# Altium PCB Zotino.PCBDOC (part 2 of 8)
Units mil, origin at the board's own origin, x right, y up, seen from the top; angles counter-clockwise.
Board outline 6303.18 x 3940.98 mil, 4 copper layers (TopLayer, Internal Plane 2, Signal Layer 1, BottomLayer), stack 61.54 mil thick; 716 components, 353 nets, 2092 pads, 748 vias.
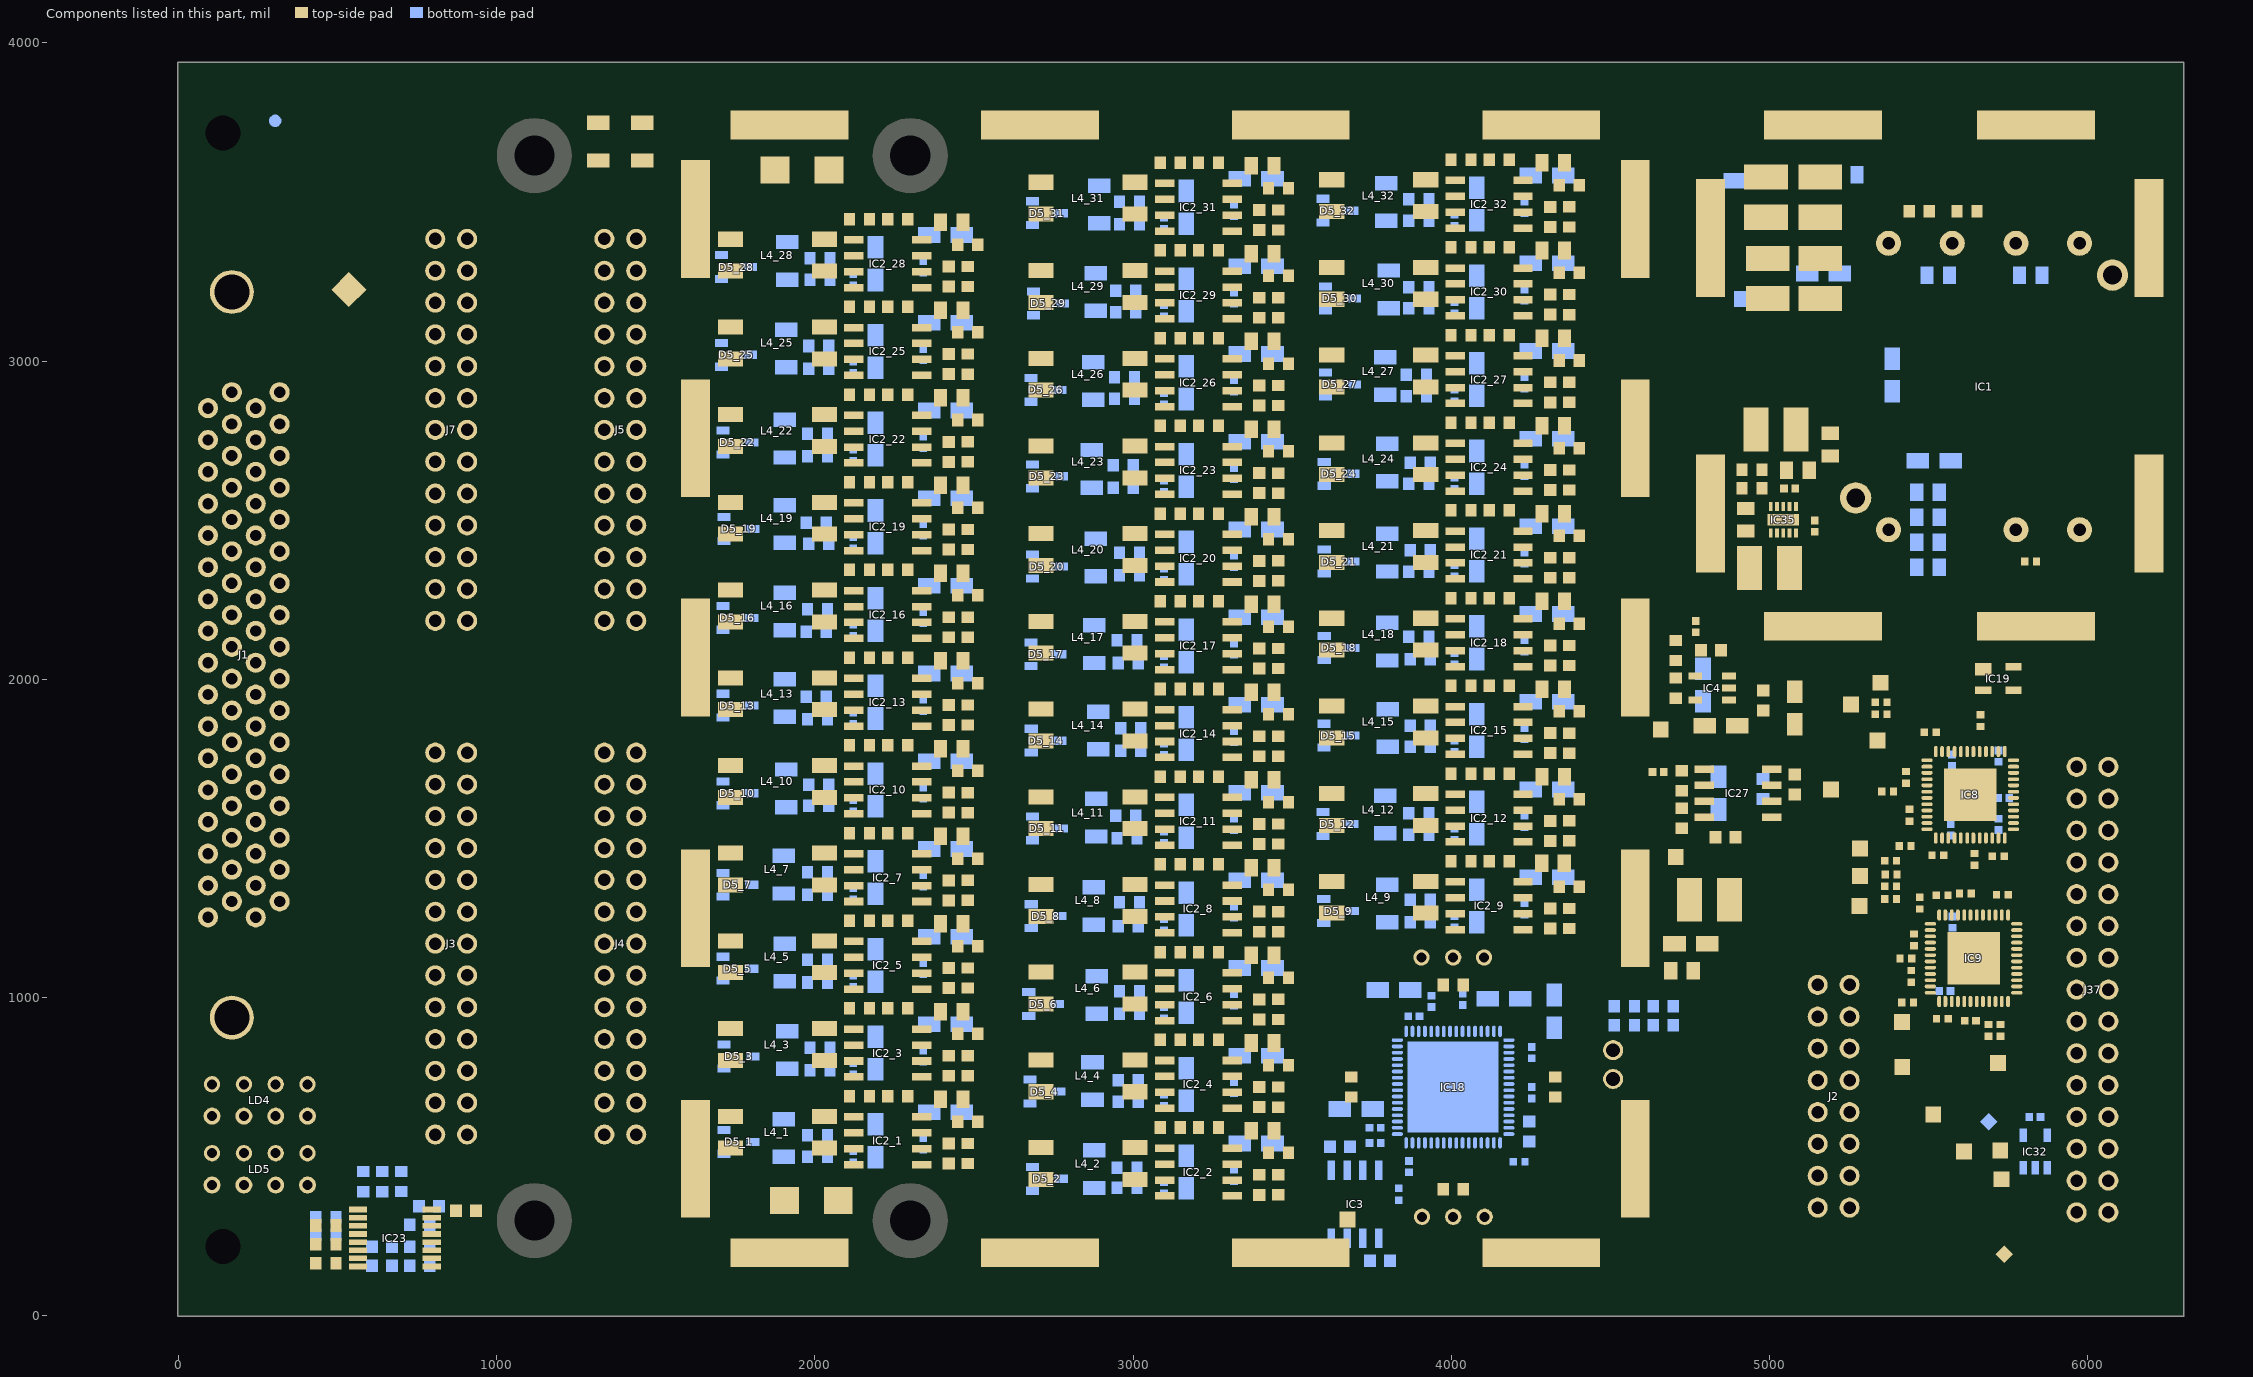
[diagram p4: the components of this part, seen from the top]

## Components (designator, comment, footprint, x,y, rotation, side; value= is the part's Value field where it differs from the comment) (continued)
IC2_14 "OPA197ID" SOIC127P600X175-8N 3204.98,1829.53 r180 top (schematic designator IC2)
IC2_15 "OPA197ID" SOIC127P600X175-8N 4118.37,1839.37 r180 top (schematic designator IC2)
IC2_16 "OPA197ID" SOIC127P600X175-8N 2228.6,2203.54 r180 top (schematic designator IC2)
IC2_17 "OPA197ID" SOIC127P600X175-8N 3204.98,2105.12 r180 top (schematic designator IC2)
IC2_18 "OPA197ID" SOIC127P600X175-8N 4118.37,2114.96 r180 top (schematic designator IC2)
IC2_19 "OPA197ID" SOIC127P600X175-8N 2228.6,2479.13 r180 top (schematic designator IC2)
IC2_20 "OPA197ID" SOIC127P600X175-8N 3204.98,2380.71 r180 top (schematic designator IC2)
IC2_21 "OPA197ID" SOIC127P600X175-8N 4118.37,2390.55 r180 top (schematic designator IC2)
IC2_22 "OPA197ID" SOIC127P600X175-8N 2228.6,2754.72 r180 top (schematic designator IC2)
IC2_23 "OPA197ID" SOIC127P600X175-8N 3204.98,2656.3 r180 top (schematic designator IC2)
IC2_24 "OPA197ID" SOIC127P600X175-8N 4118.37,2666.14 r180 top (schematic designator IC2)
IC2_25 "OPA197ID" SOIC127P600X175-8N 2228.6,3030.32 r180 top (schematic designator IC2)
IC2_26 "OPA197ID" SOIC127P600X175-8N 3204.98,2931.89 r180 top (schematic designator IC2)
IC2_27 "OPA197ID" SOIC127P600X175-8N 4118.37,2941.73 r180 top (schematic designator IC2)
IC2_28 "OPA197ID" SOIC127P600X175-8N 2228.6,3305.91 r180 top (schematic designator IC2)
IC2_29 "OPA197ID" SOIC127P600X175-8N 3204.98,3207.48 r180 top (schematic designator IC2)
IC2_30 "OPA197ID" SOIC127P600X175-8N 4118.37,3217.32 r180 top (schematic designator IC2)
IC2_31 "OPA197ID" SOIC127P600X175-8N 3204.98,3483.07 r180 top (schematic designator IC2)
IC2_32 "OPA197ID" SOIC127P600X175-8N 4118.37,3492.91 r180 top (schematic designator IC2)
IC3 "MAX6250ACSA+" SOIC127P600X175-8N 3696.85,350.39 r90 bottom
IC4 "LT1964ES5-BYP#TRMPBF" SOT95P280X100-5N 4818.9,1972.44 r180 top
IC8 "SN65MLVD040RGZT" QFN50P700X700X100-49N-S420 5630.15,1637.02 r0 top
IC9 "SN65MLVD040RGZT" QFN50P700X700X100-49N-S420 5640.55,1123.37 r0 top
IC18 "AD5372BCPZ" QFN50P900X900X100-65N-S725 4005.21,718.5 r90 bottom locked
IC19 "STM811SW16F" SOT143N 5718.51,2002.39 r0 top
IC23 "SN74LV595APWT" SOP65P640X120-16N 679.63,244.34 r0 top
IC27 "LT1763CS8#PBF" SOIC127P600X175-8N 4900.1,1641.98 r0 top
IC32 "24AA02E48T-I/OT" SOT95P280X145-5N 5834,516 r90 bottom
IC35 "TPS62175DQC" SON50P200X300X80-11N-R94X250 5042.82,2501.23 r270 top
J1 "D-SUB" TYCO_5787082-7 205.22,2077.02 r270 top
J2 "Header 16" 3M_N2516-6002RB 5200.79,689.96 r270 top locked
J3 "Header 26" 3M_N2526-6002RB 856.79,1169.54 r90 top
J4 "Header 26" 3M_N2526-6002RB 1388.29,1169.54 r90 top
J5 "Header 26" 3M_N2526-6002RB 1388.29,2783.71 r90 top
J7 "Header 26" 3M_N2526-6002RB 856.79,2783.71 r90 top
J37 "Familly" 3M_N2530-6002RB 6014.27,1024.85 r270 top locked
L1 "10uH" IND_MURATA-PS_8400 4811.02,1307.09 r180 top
L4_1 "2x6.5mH" IND_WURTH_WE-SL2 1881.71,576.81 r180 top (schematic designator L4)
L4_2 "2x6.5mH" IND_WURTH_WE-SL2 2858.09,478.38 r180 top (schematic designator L4)
L4_3 "2x6.5mH" IND_WURTH_WE-SL2 1881.71,852.4 r180 top (schematic designator L4)
L4_4 "2x6.5mH" IND_WURTH_WE-SL2 2858.09,753.97 r180 top (schematic designator L4)
L4_5 "2x6.5mH" IND_WURTH_WE-SL2 1881.71,1127.99 r180 top (schematic designator L4)
L4_6 "2x6.5mH" IND_WURTH_WE-SL2 2858.09,1029.56 r180 top (schematic designator L4)
L4_7 "2x6.5mH" IND_WURTH_WE-SL2 1881.71,1403.58 r180 top (schematic designator L4)
L4_8 "2x6.5mH" IND_WURTH_WE-SL2 2858.09,1305.15 r180 top (schematic designator L4)
L4_9 "2x6.5mH" IND_WURTH_WE-SL2 3771.48,1314.99 r180 top (schematic designator L4)
L4_10 "2x6.5mH" IND_WURTH_WE-SL2 1881.71,1679.17 r180 top (schematic designator L4)
L4_11 "2x6.5mH" IND_WURTH_WE-SL2 2858.09,1580.74 r180 top (schematic designator L4)
L4_12 "2x6.5mH" IND_WURTH_WE-SL2 3771.48,1590.58 r180 top (schematic designator L4)
L4_13 "2x6.5mH" IND_WURTH_WE-SL2 1881.71,1954.76 r180 top (schematic designator L4)
L4_14 "2x6.5mH" IND_WURTH_WE-SL2 2858.09,1856.33 r180 top (schematic designator L4)
L4_15 "2x6.5mH" IND_WURTH_WE-SL2 3771.48,1866.18 r180 top (schematic designator L4)
L4_16 "2x6.5mH" IND_WURTH_WE-SL2 1881.71,2230.35 r180 top (schematic designator L4)
L4_17 "2x6.5mH" IND_WURTH_WE-SL2 2858.09,2131.92 r180 top (schematic designator L4)
L4_18 "2x6.5mH" IND_WURTH_WE-SL2 3771.48,2141.77 r180 top (schematic designator L4)
L4_19 "2x6.5mH" IND_WURTH_WE-SL2 1881.71,2505.94 r180 top (schematic designator L4)
L4_20 "2x6.5mH" IND_WURTH_WE-SL2 2858.09,2407.51 r180 top (schematic designator L4)
L4_21 "2x6.5mH" IND_WURTH_WE-SL2 3771.48,2417.36 r180 top (schematic designator L4)
L4_22 "2x6.5mH" IND_WURTH_WE-SL2 1881.71,2781.53 r180 top (schematic designator L4)
L4_23 "2x6.5mH" IND_WURTH_WE-SL2 2858.09,2683.1 r180 top (schematic designator L4)
L4_24 "2x6.5mH" IND_WURTH_WE-SL2 3771.48,2692.95 r180 top (schematic designator L4)
L4_25 "2x6.5mH" IND_WURTH_WE-SL2 1881.71,3057.12 r180 top (schematic designator L4)
L4_26 "2x6.5mH" IND_WURTH_WE-SL2 2858.09,2958.69 r180 top (schematic designator L4)
L4_27 "2x6.5mH" IND_WURTH_WE-SL2 3771.48,2968.54 r180 top (schematic designator L4)
L4_28 "2x6.5mH" IND_WURTH_WE-SL2 1881.71,3332.71 r180 top (schematic designator L4)
L4_29 "2x6.5mH" IND_WURTH_WE-SL2 2858.09,3234.28 r180 top (schematic designator L4)
L4_30 "2x6.5mH" IND_WURTH_WE-SL2 3771.48,3244.13 r180 top (schematic designator L4)
L4_31 "2x6.5mH" IND_WURTH_WE-SL2 2858.27,3511.81 r180 top (schematic designator L4)
L4_32 "2x6.5mH" IND_WURTH_WE-SL2 3771.48,3519.72 r180 top (schematic designator L4)
L6 "10uH" IND_MURATA-PS_8400 5158.84,3259.89 r270 top
L7 "10uH" IND_MURATA-PS_8400 4993.84,3259.89 r270 top
L8 "10uH" IND_MURATA-PS_8400 5019.68,2785.43 r0 top
L9 "10uH" IND_MURATA-PS_8400 5158.84,3514.89 r90 top
L15 "10uH" IND_MURATA-PS_8400 4988.84,3514.89 r270 top
L16 "10uH" IND_MURATA-PS_8400 4998.84,2349.89 r180 top
LD4 "Green" LED_BIVAR_H485CGDL 255.41,677.41 r0 top
LD5 "Green" LED_BIVAR_H485CGDL 255.41,460.87 r0 top
R1 "Undefined" RESC1608X55N 5470,3470 r180 top
R2 "0" RESC1005X40N 5820,2370 r180 top
R3 "0" RESC1005X40N 3834.65,381.89 r270 bottom
R4 "36" RESC1608X55N 5620,3470 r180 top
R5_1 "1k" RESC1608X55N 2007.87,500 r180 bottom (schematic designator R5)
R5_2 "1k" RESC1608X55N 2980.31,401.57 r180 bottom (schematic designator R5)
R5_3 "1k" RESC1608X55N 2015.75,842.52 r180 bottom (schematic designator R5)
R5_4 "1k" RESC1608X55N 2984.25,740.16 r180 bottom (schematic designator R5)
R5_5 "1k" RESC1608X55N 2007.87,1118.11 r180 bottom (schematic designator R5)
R5_6 "1k" RESC1608X55N 2988.19,1019.69 r180 bottom (schematic designator R5)
R5_7 "1k" RESC1608X55N 2007.87,1393.7 r180 bottom (schematic designator R5)
R5_8 "1k" RESC1608X55N 2988.19,1299.21 r180 bottom (schematic designator R5)
R5_9 "1k" RESC1608X55N 3901.57,1307.15 r180 bottom (schematic designator R5)
R5_10 "1k" RESC1608X55N 2011.81,1669.29 r180 bottom (schematic designator R5)
R5_11 "1k" RESC1608X55N 2976.38,1570.87 r180 bottom (schematic designator R5)
R5_12 "1k" RESC1608X55N 3897.64,1578.74 r180 bottom (schematic designator R5)
R5_13 "1k" RESC1608X55N 2003.94,1944.88 r180 bottom (schematic designator R5)
R5_14 "1k" RESC1608X55N 2992.13,1846.46 r180 bottom (schematic designator R5)
R5_15 "1k" RESC1608X55N 3901.57,1854.33 r180 bottom (schematic designator R5)
R5_16 "1k" RESC1608X55N 2007.87,2220.47 r180 bottom (schematic designator R5)
R5_17 "1k" RESC1608X55N 2980.31,2122.05 r180 bottom (schematic designator R5)
R5_18 "1k" RESC1608X55N 3901.57,2062.99 r180 bottom (schematic designator R5)
R5_19 "1k" RESC1608X55N 2011.81,2425.2 r180 bottom (schematic designator R5)
R5_20 "1k" RESC1608X55N 2988.19,2397.64 r180 bottom (schematic designator R5)
R5_21 "1k" RESC1608X55N 3901.57,2405.51 r180 bottom (schematic designator R5)
R5_22 "1k" RESC1608X55N 2007.87,2771.65 r180 bottom (schematic designator R5)
R5_23 "1k" RESC1608X55N 2968.5,2673.23 r180 bottom (schematic designator R5)
R5_24 "1k" RESC1608X55N 3901.57,2681.1 r180 bottom (schematic designator R5)
R5_25 "1k" RESC1608X55N 2011.81,3047.24 r180 bottom (schematic designator R5)
R5_26 "1k" RESC1608X55N 2972.44,2948.82 r180 bottom (schematic designator R5)
R5_27 "1k" RESC1608X55N 3889.76,2956.69 r180 bottom (schematic designator R5)
R5_28 "1k" RESC1608X55N 2015.75,3322.83 r180 bottom (schematic designator R5)
R5_29 "1k" RESC1608X55N 2976.38,3220.47 r180 bottom (schematic designator R5)
R5_30 "1k" RESC1608X55N 3897.64,3232.28 r180 bottom (schematic designator R5)
R5_31 "1k" RESC1608X55N 2988.19,3500 r180 bottom (schematic designator R5)
R5_32 "1k" RESC1608X55N 3897.64,3507.87 r180 bottom (schematic designator R5)
R6 "100" RESC1005X40N 5718.15,1443.89 r0 top
R7_1 "1k" RESC1608X55N 2007.87,566.93 r180 bottom (schematic designator R7)
R7_2 "1k" RESC1608X55N 2980.31,464.57 r180 bottom (schematic designator R7)
R7_3 "1k" RESC1608X55N 2015.75,771.65 r180 bottom (schematic designator R7)
R7_4 "1k" RESC1608X55N 2984.25,673.23 r180 bottom (schematic designator R7)
R7_5 "1k" RESC1608X55N 2007.87,1047.24 r180 bottom (schematic designator R7)
R7_6 "1k" RESC1608X55N 2988.19,948.82 r180 bottom (schematic designator R7)
R7_7 "1k" RESC1608X55N 2007.87,1322.83 r180 bottom (schematic designator R7)
R7_8 "1k" RESC1608X55N 2984.25,1224.41 r180 bottom (schematic designator R7)
R7_9 "1k" RESC1608X55N 3901.57,1236.22 r180 bottom (schematic designator R7)
R7_10 "1k" RESC1608X55N 2011.81,1602.36 r180 bottom (schematic designator R7)
R7_11 "1k" RESC1608X55N 2980.31,1500 r180 bottom (schematic designator R7)
R7_12 "1k" RESC1608X55N 3897.64,1511.81 r180 bottom (schematic designator R7)
R7_13 "1k" RESC1608X55N 2007.87,1874.02 r180 bottom (schematic designator R7)
R7_14 "1k" RESC1608X55N 2992.13,1775.59 r180 bottom (schematic designator R7)
R7_15 "1k" RESC1608X55N 3901.57,1787.4 r180 bottom (schematic designator R7)
R7_16 "1k" RESC1608X55N 2003.94,2149.61 r180 bottom (schematic designator R7)
R7_17 "1k" RESC1608X55N 2984.25,2051.18 r180 bottom (schematic designator R7)
R7_18 "1k" RESC1608X55N 3897.64,2133.86 r180 bottom (schematic designator R7)
R7_19 "1k" RESC1608X55N 2003.94,2492.13 r180 bottom (schematic designator R7)
R7_20 "1k" RESC1608X55N 2988.19,2326.77 r180 bottom (schematic designator R7)
R7_21 "1k" RESC1608X55N 3897.64,2338.58 r180 bottom (schematic designator R7)
R7_22 "1k" RESC1608X55N 2007.87,2700.79 r180 bottom (schematic designator R7)
R7_23 "1k" RESC1608X55N 2968.5,2602.36 r180 bottom (schematic designator R7)
R7_24 "1k" RESC1608X55N 3897.64,2614.17 r180 bottom (schematic designator R7)
R7_25 "1k" RESC1608X55N 2011.81,2976.38 r180 bottom (schematic designator R7)
R7_26 "1k" RESC1608X55N 2972.44,2881.89 r180 bottom (schematic designator R7)
R7_27 "1k" RESC1608X55N 3889.76,2889.76 r180 bottom (schematic designator R7)
R7_28 "1k" RESC1608X55N 2015.75,3255.91 r180 bottom (schematic designator R7)
R7_29 "1k" RESC1608X55N 2976.38,3153.54 r180 bottom (schematic designator R7)
R7_30 "1k" RESC1608X55N 3897.64,3165.35 r180 bottom (schematic designator R7)
R7_31 "1k" RESC1608X55N 2988.19,3429.13 r180 bottom (schematic designator R7)
R7_32 "1k" RESC1608X55N 3897.64,3440.94 r180 bottom (schematic designator R7)
R8 "220" RESC1608X55N 4005.38,397.64 r0 top
R9 "220" RESC1608X55N 3685.04,718.85 r90 top
R10 "220" RESC1608X55N 4005.38,1039.37 r0 top
R11 "0" RESC1005X40N 5350.15,1889.89 r0 top
R12 "220" RESC1608X55N 4326.77,718.85 r270 top
R13 "0" RESC1005X40N 5350.15,1927.89 r0 top
R14 "0" RESC1005X40N 5381.15,1386.89 r0 top
R16 "100" RESC1005X40N 5662.46,1869.8 r270 top
R17 "100" RESC1005X40N 5370.46,1647.8 r0 top
R18 "100" RESC1005X40N 5643.15,1433.89 r90 top
R19 "100" RESC1005X40N 5425.46,1475.8 r0 top
R20 "100" RESC1005X40N 5471.15,1296.89 r270 top
R21 "100" RESC1005X40N 5615.15,1326.89 r0 top
R22 "100" RESC1005X40N 5428.15,1122.89 r0 top
R23 "100" RESC1005X40N 5687.46,896.8 r90 top
R24_1 "2k32" RESC1608X55N 2480,610 r180 top (schematic designator R24)
R24_2 "2k32" RESC1608X55N 3456.38,511.57 r180 top (schematic designator R24)
R24_3 "2k32" RESC1608X55N 2480,885.59 r180 top (schematic designator R24)
R24_4 "2k32" RESC1608X55N 3456.38,787.17 r180 top (schematic designator R24)
R24_5 "2k32" RESC1608X55N 2480,1161.18 r180 top (schematic designator R24)
R24_6 "2k32" RESC1608X55N 3456.38,1062.76 r180 top (schematic designator R24)
R24_7 "2k32" RESC1608X55N 2480,1436.77 r180 top (schematic designator R24)
R24_8 "2k32" RESC1608X55N 3456.38,1338.35 r180 top (schematic designator R24)
R24_9 "2k32" RESC1608X55N 4369.76,1348.19 r180 top (schematic designator R24)
R24_10 "2k32" RESC1608X55N 2480,1712.36 r180 top (schematic designator R24)
R24_11 "2k32" RESC1608X55N 3456.38,1613.94 r180 top (schematic designator R24)
R24_12 "2k32" RESC1608X55N 4369.76,1623.78 r180 top (schematic designator R24)
R24_13 "2k32" RESC1608X55N 2480,1987.95 r180 top (schematic designator R24)
R24_14 "2k32" RESC1608X55N 3456.38,1889.53 r180 top (schematic designator R24)
R24_15 "2k32" RESC1608X55N 4369.76,1899.37 r180 top (schematic designator R24)
R24_16 "2k32" RESC1608X55N 2480,2263.54 r180 top (schematic designator R24)
R24_17 "2k32" RESC1608X55N 3456.38,2165.12 r180 top (schematic designator R24)
R24_18 "2k32" RESC1608X55N 4369.76,2174.96 r180 top (schematic designator R24)
R24_19 "2k32" RESC1608X55N 2480,2539.13 r180 top (schematic designator R24)
R24_20 "2k32" RESC1608X55N 3456.38,2440.71 r180 top (schematic designator R24)
R24_21 "2k32" RESC1608X55N 4369.76,2450.55 r180 top (schematic designator R24)
R24_22 "2k32" RESC1608X55N 2480,2814.72 r180 top (schematic designator R24)
R24_23 "2k32" RESC1608X55N 3456.38,2716.3 r180 top (schematic designator R24)
R24_24 "2k32" RESC1608X55N 4369.76,2726.14 r180 top (schematic designator R24)
R24_25 "2k32" RESC1608X55N 2480,3090.32 r180 top (schematic designator R24)
R24_26 "2k32" RESC1608X55N 3456.38,2991.89 r180 top (schematic designator R24)
R24_27 "2k32" RESC1608X55N 4369.76,3001.73 r180 top (schematic designator R24)
R24_28 "2k32" RESC1608X55N 2480,3365.91 r180 top (schematic designator R24)
R24_29 "2k32" RESC1608X55N 3456.38,3267.48 r180 top (schematic designator R24)
R24_30 "2k32" RESC1608X55N 4369.76,3277.32 r180 top (schematic designator R24)
R24_31 "2k32" RESC1608X55N 3456.38,3543.07 r180 top (schematic designator R24)
R24_32 "2k32" RESC1608X55N 4369.76,3552.91 r180 top (schematic designator R24)
R25_1 "9k09" RESC1608X55N 2480,510 r270 top (schematic designator R25)
R25_2 "9k09" RESC1608X55N 3456.38,411.57 r270 top (schematic designator R25)
R25_3 "9k09" RESC1608X55N 2480,785.59 r270 top (schematic designator R25)
R25_4 "9k09" RESC1608X55N 3456.38,687.17 r270 top (schematic designator R25)
R25_5 "9k09" RESC1608X55N 2480,1061.18 r270 top (schematic designator R25)
R25_6 "9k09" RESC1608X55N 3456.38,962.76 r270 top (schematic designator R25)
R25_7 "9k09" RESC1608X55N 2480,1336.77 r270 top (schematic designator R25)
R25_8 "9k09" RESC1608X55N 3456.38,1238.35 r270 top (schematic designator R25)
R25_9 "9k09" RESC1608X55N 4369.76,1248.19 r270 top (schematic designator R25)
R25_10 "9k09" RESC1608X55N 2480,1612.36 r270 top (schematic designator R25)
R25_11 "9k09" RESC1608X55N 3456.38,1513.94 r270 top (schematic designator R25)
R25_12 "9k09" RESC1608X55N 4369.76,1523.78 r270 top (schematic designator R25)
R25_13 "9k09" RESC1608X55N 2480,1887.95 r270 top (schematic designator R25)
R25_14 "9k09" RESC1608X55N 3456.38,1789.53 r270 top (schematic designator R25)
R25_15 "9k09" RESC1608X55N 4369.76,1799.37 r270 top (schematic designator R25)
R25_16 "9k09" RESC1608X55N 2480,2163.54 r270 top (schematic designator R25)
R25_17 "9k09" RESC1608X55N 3456.38,2065.12 r270 top (schematic designator R25)
R25_18 "9k09" RESC1608X55N 4369.76,2074.96 r270 top (schematic designator R25)
R25_19 "9k09" RESC1608X55N 2480,2439.13 r270 top (schematic designator R25)
R25_20 "9k09" RESC1608X55N 3456.38,2340.71 r270 top (schematic designator R25)
R25_21 "9k09" RESC1608X55N 4369.76,2350.55 r270 top (schematic designator R25)
R25_22 "9k09" RESC1608X55N 2480,2714.72 r270 top (schematic designator R25)
R25_23 "9k09" RESC1608X55N 3456.38,2616.3 r270 top (schematic designator R25)
R25_24 "9k09" RESC1608X55N 4369.76,2626.14 r270 top (schematic designator R25)
R25_25 "9k09" RESC1608X55N 2480,2990.32 r270 top (schematic designator R25)
R25_26 "9k09" RESC1608X55N 3456.38,2891.89 r270 top (schematic designator R25)
R25_27 "9k09" RESC1608X55N 4369.76,2901.73 r270 top (schematic designator R25)
R25_28 "9k09" RESC1608X55N 2480,3265.91 r270 top (schematic designator R25)
R25_29 "9k09" RESC1608X55N 3456.38,3167.48 r270 top (schematic designator R25)
R25_30 "9k09" RESC1608X55N 4369.77,3177.32 r270 top (schematic designator R25)
R25_31 "9k09" RESC1608X55N 3456.38,3443.07 r270 top (schematic designator R25)
R25_32 "9k09" RESC1608X55N 4369.76,3452.91 r270 top (schematic designator R25)
R51 "0" RESC1005X40N 4212.6,484.25 r0 bottom
R58 "220" RESC1608X55N 757.87,285.43 r0 bottom
R67_1 "11k" RESC1608X55N 2140,690 r180 top (schematic designator R67)
R67_2 "11k" RESC1608X55N 3116.38,591.57 r180 top (schematic designator R67)
R67_3 "11k" RESC1608X55N 2140,965.59 r180 top (schematic designator R67)
R67_4 "11k" RESC1608X55N 3116.38,867.17 r180 top (schematic designator R67)
R67_5 "11k" RESC1608X55N 2140,1241.18 r180 top (schematic designator R67)
R67_6 "11k" RESC1608X55N 3116.38,1142.76 r180 top (schematic designator R67)
R67_7 "11k" RESC1608X55N 2140,1516.77 r180 top (schematic designator R67)
R67_8 "11k" RESC1608X55N 3116.38,1418.35 r180 top (schematic designator R67)
R67_9 "11k" RESC1608X55N 4029.76,1428.19 r180 top (schematic designator R67)
R67_10 "11k" RESC1608X55N 2140,1792.36 r180 top (schematic designator R67)
R67_11 "11k" RESC1608X55N 3116.38,1693.94 r180 top (schematic designator R67)
R67_12 "11k" RESC1608X55N 4029.76,1703.78 r180 top (schematic designator R67)
R67_13 "11k" RESC1608X55N 2140,2067.95 r180 top (schematic designator R67)
R67_14 "11k" RESC1608X55N 3116.38,1969.53 r180 top (schematic designator R67)
R67_15 "11k" RESC1608X55N 4029.76,1979.37 r180 top (schematic designator R67)
R67_16 "11k" RESC1608X55N 2140,2343.54 r180 top (schematic designator R67)
R67_17 "11k" RESC1608X55N 3116.38,2245.12 r180 top (schematic designator R67)
R67_18 "11k" RESC1608X55N 4029.76,2254.96 r180 top (schematic designator R67)
R67_19 "11k" RESC1608X55N 2140,2619.13 r180 top (schematic designator R67)
R67_20 "11k" RESC1608X55N 3116.38,2520.71 r180 top (schematic designator R67)
R67_21 "11k" RESC1608X55N 4029.76,2530.55 r180 top (schematic designator R67)
R67_22 "11k" RESC1608X55N 2140,2894.72 r180 top (schematic designator R67)
R67_23 "11k" RESC1608X55N 3116.38,2796.3 r180 top (schematic designator R67)
R67_24 "11k" RESC1608X55N 4029.76,2806.14 r180 top (schematic designator R67)
R67_25 "11k" RESC1608X55N 2140,3170.32 r180 top (schematic designator R67)
R67_26 "11k" RESC1608X55N 3116.38,3071.89 r180 top (schematic designator R67)
R67_27 "11k" RESC1608X55N 4029.76,3081.73 r180 top (schematic designator R67)
R67_28 "11k" RESC1608X55N 2140,3445.91 r180 top (schematic designator R67)
R67_29 "11k" RESC1608X55N 3116.38,3347.48 r180 top (schematic designator R67)
R67_30 "11k" RESC1608X55N 4029.76,3357.32 r180 top (schematic designator R67)
R67_31 "11k" RESC1608X55N 3116.38,3623.07 r180 top (schematic designator R67)
R67_32 "11k" RESC1608X55N 4029.76,3632.91 r180 top (schematic designator R67)
R68_1 "Undefined" RESC1608X55N 2260,690 r180 top (schematic designator R68)
R68_2 "Undefined" RESC1608X55N 3236.38,591.57 r180 top (schematic designator R68)
R68_3 "Undefined" RESC1608X55N 2260,965.59 r180 top (schematic designator R68)
R68_4 "Undefined" RESC1608X55N 3236.38,867.16 r180 top (schematic designator R68)
R68_5 "Undefined" RESC1608X55N 2260,1241.18 r180 top (schematic designator R68)
R68_6 "Undefined" RESC1608X55N 3236.38,1142.76 r180 top (schematic designator R68)
R68_7 "Undefined" RESC1608X55N 2260,1516.77 r180 top (schematic designator R68)
R68_8 "Undefined" RESC1608X55N 3236.38,1418.35 r180 top (schematic designator R68)
R68_9 "Undefined" RESC1608X55N 4149.76,1428.19 r180 top (schematic designator R68)
R68_10 "Undefined" RESC1608X55N 2260,1792.36 r180 top (schematic designator R68)
R68_11 "Undefined" RESC1608X55N 3236.38,1693.94 r180 top (schematic designator R68)
R68_12 "Undefined" RESC1608X55N 4149.76,1703.78 r180 top (schematic designator R68)
R68_13 "Undefined" RESC1608X55N 2260,2067.95 r180 top (schematic designator R68)
R68_14 "Undefined" RESC1608X55N 3236.38,1969.53 r180 top (schematic designator R68)